# KiCad board LightRail_LPO_1.6T.kicad_pcb (continued)
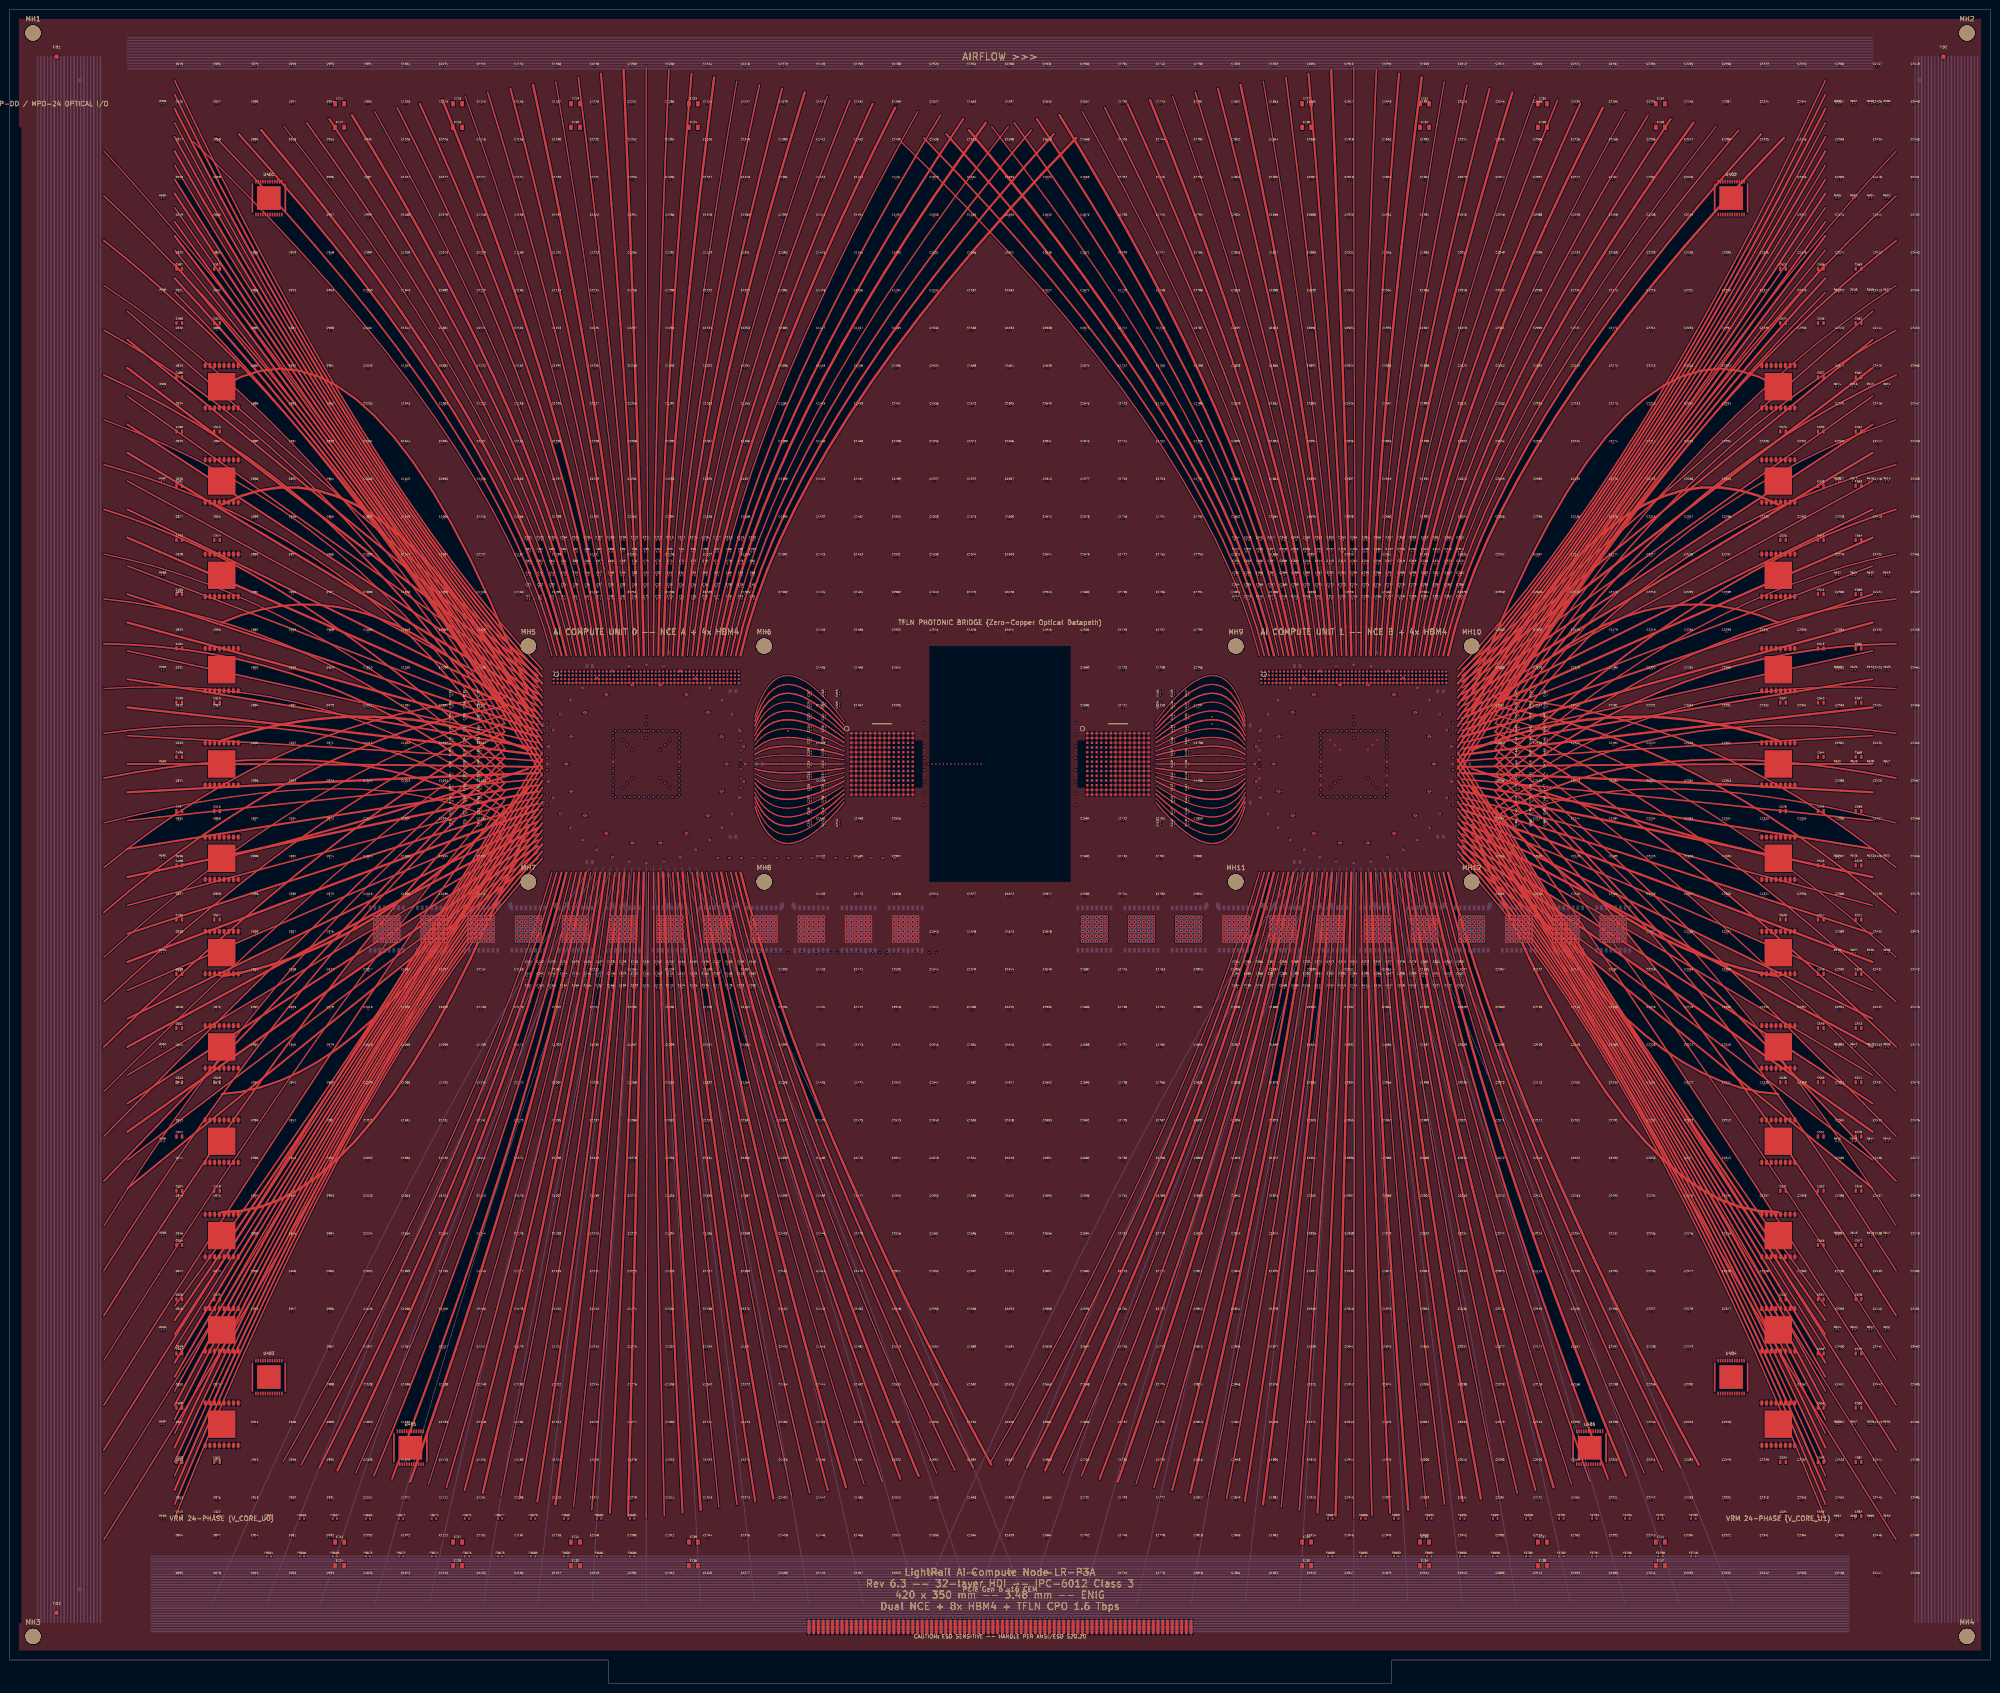
[diagram p0: board, top side]
## Placement (name value [footprint] x y rotation side) (continued)
C362  1.0x0.5  [C_passive#5]  305 242.5 0 top
C363  1.0x0.5  [C_passive#5]  307.5 242.5 0 top
C364  1.0x0.5  [C_passive#5]  260 152.5 0 top
C365  1.0x0.5  [C_passive#5]  262.5 152.5 0 top
C366  1.0x0.5  [C_passive#5]  265 152.5 0 top
C367  1.0x0.5  [C_passive#5]  267.5 152.5 0 top
C368  1.0x0.5  [C_passive#5]  270 152.5 0 top
C369  1.0x0.5  [C_passive#5]  272.5 152.5 0 top
C370  1.0x0.5  [C_passive#5]  275 152.5 0 top
C371  1.0x0.5  [C_passive#5]  277.5 152.5 0 top
C372  1.0x0.5  [C_passive#5]  280 152.5 0 top
C373  1.0x0.5  [C_passive#5]  282.5 152.5 0 top
C374  1.0x0.5  [C_passive#5]  285 152.5 0 top
C375  1.0x0.5  [C_passive#5]  287.5 152.5 0 top
C376  1.0x0.5  [C_passive#5]  290 152.5 0 top
C377  1.0x0.5  [C_passive#5]  292.5 152.5 0 top
C378  1.0x0.5  [C_passive#5]  295 152.5 0 top
C379  1.0x0.5  [C_passive#5]  297.5 152.5 0 top
C380  1.0x0.5  [C_passive#5]  300 152.5 0 top
C381  1.0x0.5  [C_passive#5]  302.5 152.5 0 top
C382  1.0x0.5  [C_passive#5]  305 152.5 0 top
C383  1.0x0.5  [C_passive#5]  307.5 152.5 0 top
C384  1.0x0.5  [C_passive#5]  260 150 0 top
C385  1.0x0.5  [C_passive#5]  262.5 150 0 top
C386  1.0x0.5  [C_passive#5]  265 150 0 top
C387  1.0x0.5  [C_passive#5]  267.5 150 0 top
C388  1.0x0.5  [C_passive#5]  270 150 0 top
C389  1.0x0.5  [C_passive#5]  272.5 150 0 top
C390  1.0x0.5  [C_passive#5]  275 150 0 top
C391  1.0x0.5  [C_passive#5]  277.5 150 0 top
C392  1.0x0.5  [C_passive#5]  280 150 0 top
C393  1.0x0.5  [C_passive#5]  282.5 150 0 top
C394  1.0x0.5  [C_passive#5]  285 150 0 top
C395  1.0x0.5  [C_passive#5]  287.5 150 0 top
C396  1.0x0.5  [C_passive#5]  290 150 0 top
C397  1.0x0.5  [C_passive#5]  292.5 150 0 top
C398  1.0x0.5  [C_passive#5]  295 150 0 top
C399  1.0x0.5  [C_passive#5]  297.5 150 0 top
C400  1.0x0.5  [C_passive#5]  300 150 0 top
C401  1.0x0.5  [C_passive#5]  302.5 150 0 top
C402  1.0x0.5  [C_passive#5]  305 150 0 top
C403  1.0x0.5  [C_passive#5]  307.5 150 0 top
C404  1.0x0.5  [C_passive#5]  260 147.5 0 top
C405  1.0x0.5  [C_passive#5]  262.5 147.5 0 top
C406  1.0x0.5  [C_passive#5]  265 147.5 0 top
C407  1.0x0.5  [C_passive#5]  267.5 147.5 0 top
C408  1.0x0.5  [C_passive#5]  270 147.5 0 top
C409  1.0x0.5  [C_passive#5]  272.5 147.5 0 top
C410  1.0x0.5  [C_passive#5]  275 147.5 0 top
C411  1.0x0.5  [C_passive#5]  277.5 147.5 0 top
C412  1.0x0.5  [C_passive#5]  280 147.5 0 top
C413  1.0x0.5  [C_passive#5]  282.5 147.5 0 top
C414  1.0x0.5  [C_passive#5]  285 147.5 0 top
C415  1.0x0.5  [C_passive#5]  287.5 147.5 0 top
C416  1.0x0.5  [C_passive#5]  290 147.5 0 top
C417  1.0x0.5  [C_passive#5]  292.5 147.5 0 top
C418  1.0x0.5  [C_passive#5]  295 147.5 0 top
C419  1.0x0.5  [C_passive#5]  297.5 147.5 0 top
C420  1.0x0.5  [C_passive#5]  300 147.5 0 top
C421  1.0x0.5  [C_passive#5]  302.5 147.5 0 top
C422  1.0x0.5  [C_passive#5]  305 147.5 0 top
C423  1.0x0.5  [C_passive#5]  307.5 147.5 0 top
C424  1.0x0.5  [C_passive]  250 210 90 top
C425  1.0x0.5  [C_passive]  247 210 90 top
C426  1.0x0.5  [C_passive]  244 210 90 top
C427  1.0x0.5  [C_passive]  250 207.5 90 top
C428  1.0x0.5  [C_passive]  247 207.5 90 top
C429  1.0x0.5  [C_passive]  244 207.5 90 top
C430  1.0x0.5  [C_passive]  250 205 90 top
C431  1.0x0.5  [C_passive]  247 205 90 top
C432  1.0x0.5  [C_passive]  250 202.5 90 top
C433  1.0x0.5  [C_passive]  247 202.5 90 top
C434  1.0x0.5  [C_passive]  250 200 90 top
C435  1.0x0.5  [C_passive]  247 200 90 top
C436  1.0x0.5  [C_passive]  250 197.5 90 top
C437  1.0x0.5  [C_passive]  247 197.5 90 top
C438  1.0x0.5  [C_passive]  250 195 90 top
C439  1.0x0.5  [C_passive]  247 195 90 top
C440  1.0x0.5  [C_passive]  250 192.5 90 top
C441  1.0x0.5  [C_passive]  247 192.5 90 top
C442  1.0x0.5  [C_passive]  250 190 90 top
C443  1.0x0.5  [C_passive]  247 190 90 top
C444  1.0x0.5  [C_passive]  250 187.5 90 top
C445  1.0x0.5  [C_passive]  247 187.5 90 top
C446  1.0x0.5  [C_passive]  250 185 90 top
C447  1.0x0.5  [C_passive]  247 185 90 top
C448  1.0x0.5  [C_passive]  250 182.5 90 top
C449  1.0x0.5  [C_passive]  247 182.5 90 top
C450  1.0x0.5  [C_passive]  244 182.5 90 top
C451  1.0x0.5  [C_passive]  320 210 90 top
C452  1.0x0.5  [C_passive]  323 210 90 top
C453  1.0x0.5  [C_passive]  326 210 90 top
C454  1.0x0.5  [C_passive]  320 207.5 90 top
C455  1.0x0.5  [C_passive]  323 207.5 90 top
C456  1.0x0.5  [C_passive]  326 207.5 90 top
C457  1.0x0.5  [C_passive]  320 205 90 top
C458  1.0x0.5  [C_passive]  323 205 90 top
C459  1.0x0.5  [C_passive]  326 205 90 top
C460  1.0x0.5  [C_passive]  320 202.5 90 top
C461  1.0x0.5  [C_passive]  323 202.5 90 top
C462  1.0x0.5  [C_passive]  326 202.5 90 top
C463  1.0x0.5  [C_passive]  320 200 90 top
C464  1.0x0.5  [C_passive]  323 200 90 top
C465  1.0x0.5  [C_passive]  326 200 90 top
C466  1.0x0.5  [C_passive]  320 197.5 90 top
C467  1.0x0.5  [C_passive]  323 197.5 90 top
C468  1.0x0.5  [C_passive]  326 197.5 90 top
C469  1.0x0.5  [C_passive]  320 195 90 top
C470  1.0x0.5  [C_passive]  323 195 90 top
C471  1.0x0.5  [C_passive]  326 195 90 top
C472  1.0x0.5  [C_passive]  320 192.5 90 top
C473  1.0x0.5  [C_passive]  323 192.5 90 top
C474  1.0x0.5  [C_passive]  326 192.5 90 top
C475  1.0x0.5  [C_passive]  320 190 90 top
C476  1.0x0.5  [C_passive]  323 190 90 top
C477  1.0x0.5  [C_passive]  326 190 90 top
C478  1.0x0.5  [C_passive]  320 187.5 90 top
C479  1.0x0.5  [C_passive]  323 187.5 90 top
C480  1.0x0.5  [C_passive]  326 187.5 90 top
C481  1.0x0.5  [C_passive]  320 185 90 top
C482  1.0x0.5  [C_passive]  323 185 90 top
C483  1.0x0.5  [C_passive]  326 185 90 top
C484  1.0x0.5  [C_passive]  320 182.5 90 top
C485  1.0x0.5  [C_passive]  323 182.5 90 top
C486  1.0x0.5  [C_passive]  326 182.5 90 top
C487  2.0x1.25  [C_passive#3]  36 300 0 top
C488  2.0x1.25  [C_passive#3]  36 288.5 0 top
C489  2.0x1.25  [C_passive#3]  36 277 0 top
C490  2.0x1.25  [C_passive#3]  36 265.5 0 top
C491  2.0x1.25  [C_passive#3]  36 254 0 top
C492  2.0x1.25  [C_passive#3]  36 242.5 0 top
C493  2.0x1.25  [C_passive#3]  36 231 0 top
C494  2.0x1.25  [C_passive#3]  36 219.5 0 top
C495  2.0x1.25  [C_passive#3]  36 208 0 top
C496  2.0x1.25  [C_passive#3]  36 196.5 0 top
C497  2.0x1.25  [C_passive#3]  36 185 0 top
C498  2.0x1.25  [C_passive#3]  36 173.5 0 top
C499  2.0x1.25  [C_passive#3]  36 162 0 top
C500  2.0x1.25  [C_passive#3]  36 150.5 0 top
C501  2.0x1.25  [C_passive#3]  36 139 0 top
C502  2.0x1.25  [C_passive#3]  36 127.5 0 top
C503  2.0x1.25  [C_passive#3]  36 116 0 top
C504  2.0x1.25  [C_passive#3]  36 104.5 0 top
C505  2.0x1.25  [C_passive#3]  36 93 0 top
C506  2.0x1.25  [C_passive#3]  36 81.5 0 top
C507  2.0x1.25  [C_passive#3]  36 70 0 top
C508  2.0x1.25  [C_passive#3]  36 58.5 0 top
C509  2.0x1.25  [C_passive#3]  36 47 0 top
C510  2.0x1.25  [C_passive#3]  36 35.5 0 top
C511  2.0x1.25  [C_passive#3]  44 300 0 top
C512  2.0x1.25  [C_passive#3]  44 288.5 0 top
C513  2.0x1.25  [C_passive#3]  44 265.5 0 top
C514  2.0x1.25  [C_passive#3]  44 242.5 0 top
C515  2.0x1.25  [C_passive#3]  44 208 0 top
C516  2.0x1.25  [C_passive#3]  44 185 0 top
C517  2.0x1.25  [C_passive#3]  44 162 0 top
C518  2.0x1.25  [C_passive#3]  44 127.5 0 top
C519  2.0x1.25  [C_passive#3]  44 104.5 0 top
C520  2.0x1.25  [C_passive#3]  44 81.5 0 top
C521  2.0x1.25  [C_passive#3]  44 47 0 top
C522  2.0x1.25  [C_passive#3]  44 35.5 0 top
C523  2.0x1.25  [C_passive#3]  376 300 0 top
C524  2.0x1.25  [C_passive#3]  376 288.5 0 top
C525  2.0x1.25  [C_passive#3]  376 265.5 0 top
C526  2.0x1.25  [C_passive#3]  376 242.5 0 top
C527  2.0x1.25  [C_passive#3]  376 208 0 top
C528  2.0x1.25  [C_passive#3]  376 185 0 top
C529  2.0x1.25  [C_passive#3]  376 162 0 top
C530  2.0x1.25  [C_passive#3]  376 127.5 0 top
C531  2.0x1.25  [C_passive#3]  376 104.5 0 top
C532  2.0x1.25  [C_passive#3]  376 81.5 0 top
C533  2.0x1.25  [C_passive#3]  376 47 0 top
C534  2.0x1.25  [C_passive#3]  376 35.5 0 top
C535  2.0x1.25  [C_passive#3]  384 300 0 top
C536  2.0x1.25  [C_passive#3]  384 288.5 0 top
C537  2.0x1.25  [C_passive#3]  384 277 0 top
C538  2.0x1.25  [C_passive#3]  384 265.5 0 top
C539  2.0x1.25  [C_passive#3]  384 254 0 top
C540  2.0x1.25  [C_passive#3]  384 242.5 0 top
C541  2.0x1.25  [C_passive#3]  384 231 0 top
C542  2.0x1.25  [C_passive#3]  384 219.5 0 top
C543  2.0x1.25  [C_passive#3]  384 208 0 top
C544  2.0x1.25  [C_passive#3]  384 196.5 0 top
C545  2.0x1.25  [C_passive#3]  384 185 0 top
C546  2.0x1.25  [C_passive#3]  384 173.5 0 top
C547  2.0x1.25  [C_passive#3]  384 162 0 top
C548  2.0x1.25  [C_passive#3]  384 150.5 0 top
C549  2.0x1.25  [C_passive#3]  384 139 0 top
C550  2.0x1.25  [C_passive#3]  384 127.5 0 top
C551  2.0x1.25  [C_passive#3]  384 116 0 top
C552  2.0x1.25  [C_passive#3]  384 104.5 0 top
C553  2.0x1.25  [C_passive#3]  384 93 0 top
C554  2.0x1.25  [C_passive#3]  384 81.5 0 top
C555  2.0x1.25  [C_passive#3]  384 70 0 top
C556  2.0x1.25  [C_passive#3]  384 58.5 0 top
C557  2.0x1.25  [C_passive#3]  384 47 0 top
C558  2.0x1.25  [C_passive#3]  384 35.5 0 top
C559  2.0x1.25  [C_passive#3]  392 300 0 top
C560  2.0x1.25  [C_passive#3]  392 288.5 0 top
C561  2.0x1.25  [C_passive#3]  392 277 0 top
C562  2.0x1.25  [C_passive#3]  392 265.5 0 top
C563  2.0x1.25  [C_passive#3]  392 254 0 top
C564  2.0x1.25  [C_passive#3]  392 242.5 0 top
C565  2.0x1.25  [C_passive#3]  392 231 0 top
C566  2.0x1.25  [C_passive#3]  392 219.5 0 top
C567  2.0x1.25  [C_passive#3]  392 208 0 top
C568  2.0x1.25  [C_passive#3]  392 196.5 0 top
C569  2.0x1.25  [C_passive#3]  392 185 0 top
C570  2.0x1.25  [C_passive#3]  392 173.5 0 top
C571  2.0x1.25  [C_passive#3]  392 162 0 top
C572  2.0x1.25  [C_passive#3]  392 150.5 0 top
C573  2.0x1.25  [C_passive#3]  392 139 0 top
C574  2.0x1.25  [C_passive#3]  392 127.5 0 top
C575  2.0x1.25  [C_passive#3]  392 116 0 top
C576  2.0x1.25  [C_passive#3]  392 104.5 0 top
C577  2.0x1.25  [C_passive#3]  392 93 0 top
C578  2.0x1.25  [C_passive#3]  392 81.5 0 top
C579  2.0x1.25  [C_passive#3]  392 70 0 top
C580  2.0x1.25  [C_passive#3]  392 58.5 0 top
C581  2.0x1.25  [C_passive#3]  392 47 0 top
C582  2.0x1.25  [C_passive#3]  392 35.5 0 top
C711  3.2x1.6  [C_passive#4]  70 335 0 top
C712  3.2x1.6  [C_passive#4]  70 330 0 top
C713  3.2x1.6  [C_passive#4]  70 30 0 top
C714  3.2x1.6  [C_passive#4]  70 25 0 top
C715  3.2x1.6  [C_passive#4]  95 335 0 top
C716  3.2x1.6  [C_passive#4]  95 330 0 top
C717  3.2x1.6  [C_passive#4]  95 30 0 top
C718  3.2x1.6  [C_passive#4]  95 25 0 top
C719  3.2x1.6  [C_passive#4]  120 335 0 top
C720  3.2x1.6  [C_passive#4]  120 330 0 top
C721  3.2x1.6  [C_passive#4]  120 30 0 top
C722  3.2x1.6  [C_passive#4]  120 25 0 top
C723  3.2x1.6  [C_passive#4]  145 335 0 top
C724  3.2x1.6  [C_passive#4]  145 330 0 top
C725  3.2x1.6  [C_passive#4]  145 30 0 top
C726  3.2x1.6  [C_passive#4]  145 25 0 top
C727  3.2x1.6  [C_passive#4]  275 335 0 top
C728  3.2x1.6  [C_passive#4]  275 330 0 top
C729  3.2x1.6  [C_passive#4]  275 30 0 top
C730  3.2x1.6  [C_passive#4]  275 25 0 top
C731  3.2x1.6  [C_passive#4]  300 335 0 top
C732  3.2x1.6  [C_passive#4]  300 330 0 top
C733  3.2x1.6  [C_passive#4]  300 30 0 top
C734  3.2x1.6  [C_passive#4]  300 25 0 top
C735  3.2x1.6  [C_passive#4]  325 335 0 top
C736  3.2x1.6  [C_passive#4]  325 330 0 top
C737  3.2x1.6  [C_passive#4]  325 30 0 top
C738  3.2x1.6  [C_passive#4]  325 25 0 top
C739  3.2x1.6  [C_passive#4]  350 335 0 top
C740  3.2x1.6  [C_passive#4]  350 330 0 top
C741  3.2x1.6  [C_passive#4]  350 30 0 top
C742  3.2x1.6  [C_passive#4]  350 25 0 top
C743  1.0x0.5  [C_passive#5]  120 154 0 bottom
C744  1.0x0.5  [C_passive#5]  122.5 154 0 bottom
C745  1.0x0.5  [C_passive#5]  125 154 0 bottom
C746  1.0x0.5  [C_passive#5]  127.5 154 0 bottom
C747  1.0x0.5  [C_passive#5]  130 154 0 bottom
C748  1.0x0.5  [C_passive#5]  132.5 154 0 bottom
C749  1.0x0.5  [C_passive#5]  135 154 0 bottom
C750  1.0x0.5  [C_passive#5]  137.5 154 0 bottom
C751  1.0x0.5  [C_passive#5]  140 154 0 bottom
C752  1.0x0.5  [C_passive#5]  142.5 154 0 bottom
C753  1.0x0.5  [C_passive#5]  145 154 0 bottom
C754  1.0x0.5  [C_passive#5]  147.5 154 0 bottom
C755  1.0x0.5  [C_passive#5]  120 151 0 bottom
C756  1.0x0.5  [C_passive#5]  122.5 151 0 bottom
C757  1.0x0.5  [C_passive#5]  125 151 0 bottom
C758  1.0x0.5  [C_passive#5]  127.5 151 0 bottom
C759  1.0x0.5  [C_passive#5]  130 151 0 bottom
C760  1.0x0.5  [C_passive#5]  132.5 151 0 bottom
C761  1.0x0.5  [C_passive#5]  135 151 0 bottom
C762  1.0x0.5  [C_passive#5]  137.5 151 0 bottom
C763  1.0x0.5  [C_passive#5]  140 151 0 bottom
C764  1.0x0.5  [C_passive#5]  142.5 151 0 bottom
C765  1.0x0.5  [C_passive#5]  145 151 0 bottom
C766  1.0x0.5  [C_passive#5]  147.5 151 0 bottom
C767  1.0x0.5  [C_passive#5]  120 148 0 bottom
C768  1.0x0.5  [C_passive#5]  122.5 148 0 bottom
C769  1.0x0.5  [C_passive#5]  125 148 0 bottom
C770  1.0x0.5  [C_passive#5]  127.5 148 0 bottom
C771  1.0x0.5  [C_passive#5]  130 148 0 bottom
C772  1.0x0.5  [C_passive#5]  132.5 148 0 bottom
C773  1.0x0.5  [C_passive#5]  135 148 0 bottom
C774  1.0x0.5  [C_passive#5]  137.5 148 0 bottom
C775  1.0x0.5  [C_passive#5]  140 148 0 bottom
C776  1.0x0.5  [C_passive#5]  142.5 148 0 bottom
C777  1.0x0.5  [C_passive#5]  145 148 0 bottom
C778  1.0x0.5  [C_passive#5]  147.5 148 0 bottom
C779  1.0x0.5  [C_passive#5]  270 154 0 bottom
C780  1.0x0.5  [C_passive#5]  272.5 154 0 bottom
C781  1.0x0.5  [C_passive#5]  275 154 0 bottom
C782  1.0x0.5  [C_passive#5]  277.5 154 0 bottom
C783  1.0x0.5  [C_passive#5]  280 154 0 bottom
C784  1.0x0.5  [C_passive#5]  282.5 154 0 bottom
C785  1.0x0.5  [C_passive#5]  285 154 0 bottom
C786  1.0x0.5  [C_passive#5]  287.5 154 0 bottom
C787  1.0x0.5  [C_passive#5]  290 154 0 bottom
C788  1.0x0.5  [C_passive#5]  292.5 154 0 bottom
C789  1.0x0.5  [C_passive#5]  295 154 0 bottom
C790  1.0x0.5  [C_passive#5]  297.5 154 0 bottom
C791  1.0x0.5  [C_passive#5]  270 151 0 bottom
C792  1.0x0.5  [C_passive#5]  272.5 151 0 bottom
C793  1.0x0.5  [C_passive#5]  275 151 0 bottom
C794  1.0x0.5  [C_passive#5]  277.5 151 0 bottom
C795  1.0x0.5  [C_passive#5]  280 151 0 bottom
C796  1.0x0.5  [C_passive#5]  282.5 151 0 bottom
C797  1.0x0.5  [C_passive#5]  285 151 0 bottom
C798  1.0x0.5  [C_passive#5]  287.5 151 0 bottom
C799  1.0x0.5  [C_passive#5]  290 151 0 bottom
C800  1.0x0.5  [C_passive#5]  292.5 151 0 bottom
C801  1.0x0.5  [C_passive#5]  295 151 0 bottom
C802  1.0x0.5  [C_passive#5]  297.5 151 0 bottom
C803  1.0x0.5  [C_passive#5]  270 148 0 bottom
C804  1.0x0.5  [C_passive#5]  272.5 148 0 bottom
C805  1.0x0.5  [C_passive#5]  275 148 0 bottom
C806  1.0x0.5  [C_passive#5]  277.5 148 0 bottom
C807  1.0x0.5  [C_passive#5]  280 148 0 bottom
C808  1.0x0.5  [C_passive#5]  282.5 148 0 bottom
C809  1.0x0.5  [C_passive#5]  285 148 0 bottom
C810  1.0x0.5  [C_passive#5]  287.5 148 0 bottom
C811  1.0x0.5  [C_passive#5]  290 148 0 bottom
C812  1.0x0.5  [C_passive#5]  292.5 148 0 bottom
C813  1.0x0.5  [C_passive#5]  295 148 0 bottom
C814  1.0x0.5  [C_passive#5]  297.5 148 0 bottom
C815  0.6x0.3  [C_passive#2]  36 343 0 top
C816  0.6x0.3  [C_passive#2]  36 335 0 top
C817  0.6x0.3  [C_passive#2]  36 327 0 top
C818  0.6x0.3  [C_passive#2]  36 319 0 top
C819  0.6x0.3  [C_passive#2]  36 311 0 top
C820  0.6x0.3  [C_passive#2]  36 303 0 top
C821  0.6x0.3  [C_passive#2]  36 295 0 top
C822  0.6x0.3  [C_passive#2]  36 287 0 top
C823  0.6x0.3  [C_passive#2]  36 279 0 top
C824  0.6x0.3  [C_passive#2]  36 271 0 top
C825  0.6x0.3  [C_passive#2]  36 263 0 top
C826  0.6x0.3  [C_passive#2]  36 255 0 top
C827  0.6x0.3  [C_passive#2]  36 247 0 top
C828  0.6x0.3  [C_passive#2]  36 239 0 top
C829  0.6x0.3  [C_passive#2]  36 231 0 top
C830  0.6x0.3  [C_passive#2]  36 223 0 top
C831  0.6x0.3  [C_passive#2]  36 215 0 top
C832  0.6x0.3  [C_passive#2]  36 207 0 top
C833  0.6x0.3  [C_passive#2]  36 199 0 top
C834  0.6x0.3  [C_passive#2]  36 191 0 top
C835  0.6x0.3  [C_passive#2]  36 183 0 top
C836  0.6x0.3  [C_passive#2]  36 175 0 top
C837  0.6x0.3  [C_passive#2]  36 167 0 top
C838  0.6x0.3  [C_passive#2]  36 159 0 top
C839  0.6x0.3  [C_passive#2]  36 151 0 top
C840  0.6x0.3  [C_passive#2]  36 143 0 top
C841  0.6x0.3  [C_passive#2]  36 135 0 top
C842  0.6x0.3  [C_passive#2]  36 127 0 top
C843  0.6x0.3  [C_passive#2]  36 119 0 top
C844  0.6x0.3  [C_passive#2]  36 111 0 top
C845  0.6x0.3  [C_passive#2]  36 103 0 top
C846  0.6x0.3  [C_passive#2]  36 95 0 top
C847  0.6x0.3  [C_passive#2]  36 87 0 top
C848  0.6x0.3  [C_passive#2]  36 79 0 top
C849  0.6x0.3  [C_passive#2]  36 71 0 top
C850  0.6x0.3  [C_passive#2]  36 63 0 top
C851  0.6x0.3  [C_passive#2]  36 55 0 top
C852  0.6x0.3  [C_passive#2]  36 47 0 top
C853  0.6x0.3  [C_passive#2]  36 39 0 top
C854  0.6x0.3  [C_passive#2]  36 31 0 top
C855  0.6x0.3  [C_passive#2]  36 23 0 top
C856  0.6x0.3  [C_passive#2]  44 343 0 top
C857  0.6x0.3  [C_passive#2]  44 335 0 top
C858  0.6x0.3  [C_passive#2]  44 327 0 top
C859  0.6x0.3  [C_passive#2]  44 319 0 top
C860  0.6x0.3  [C_passive#2]  44 311 0 top
C861  0.6x0.3  [C_passive#2]  44 303 0 top
C862  0.6x0.3  [C_passive#2]  44 295 0 top
C863  0.6x0.3  [C_passive#2]  44 287 0 top
C864  0.6x0.3  [C_passive#2]  44 263 0 top
C865  0.6x0.3  [C_passive#2]  44 247 0 top
C866  0.6x0.3  [C_passive#2]  44 223 0 top
C867  0.6x0.3  [C_passive#2]  44 207 0 top
C868  0.6x0.3  [C_passive#2]  44 183 0 top
C869  0.6x0.3  [C_passive#2]  44 167 0 top
C870  0.6x0.3  [C_passive#2]  44 143 0 top
C871  0.6x0.3  [C_passive#2]  44 127 0 top
C872  0.6x0.3  [C_passive#2]  44 103 0 top
C873  0.6x0.3  [C_passive#2]  44 87 0 top
C874  0.6x0.3  [C_passive#2]  44 63 0 top
C875  0.6x0.3  [C_passive#2]  44 47 0 top
C876  0.6x0.3  [C_passive#2]  44 39 0 top
C877  0.6x0.3  [C_passive#2]  44 31 0 top
C878  0.6x0.3  [C_passive#2]  44 23 0 top
C879  0.6x0.3  [C_passive#2]  52 343 0 top
C880  0.6x0.3  [C_passive#2]  52 335 0 top
C881  0.6x0.3  [C_passive#2]  52 327 0 top
C882  0.6x0.3  [C_passive#2]  52 303 0 top
C883  0.6x0.3  [C_passive#2]  52 295 0 top
C884  0.6x0.3  [C_passive#2]  52 287 0 top
C885  0.6x0.3  [C_passive#2]  52 279 0 top
C886  0.6x0.3  [C_passive#2]  52 271 0 top
C887  0.6x0.3  [C_passive#2]  52 263 0 top
C888  0.6x0.3  [C_passive#2]  52 255 0 top
C889  0.6x0.3  [C_passive#2]  52 247 0 top
C890  0.6x0.3  [C_passive#2]  52 239 0 top
C891  0.6x0.3  [C_passive#2]  52 231 0 top
C892  0.6x0.3  [C_passive#2]  52 223 0 top
C893  0.6x0.3  [C_passive#2]  52 215 0 top
C894  0.6x0.3  [C_passive#2]  52 207 0 top
C895  0.6x0.3  [C_passive#2]  52 199 0 top
C896  0.6x0.3  [C_passive#2]  52 191 0 top
C897  0.6x0.3  [C_passive#2]  52 183 0 top
C898  0.6x0.3  [C_passive#2]  52 175 0 top
C899  0.6x0.3  [C_passive#2]  52 167 0 top
C900  0.6x0.3  [C_passive#2]  52 159 0 top
C901  0.6x0.3  [C_passive#2]  52 151 0 top
C902  0.6x0.3  [C_passive#2]  52 143 0 top
C903  0.6x0.3  [C_passive#2]  52 135 0 top
C904  0.6x0.3  [C_passive#2]  52 127 0 top
C905  0.6x0.3  [C_passive#2]  52 119 0 top
C906  0.6x0.3  [C_passive#2]  52 111 0 top
C907  0.6x0.3  [C_passive#2]  52 103 0 top
C908  0.6x0.3  [C_passive#2]  52 95 0 top
C909  0.6x0.3  [C_passive#2]  52 87 0 top
C910  0.6x0.3  [C_passive#2]  52 79 0 top
C911  0.6x0.3  [C_passive#2]  52 55 0 top
C912  0.6x0.3  [C_passive#2]  52 47 0 top
C913  0.6x0.3  [C_passive#2]  52 39 0 top
C914  0.6x0.3  [C_passive#2]  52 31 0 top
C915  0.6x0.3  [C_passive#2]  52 23 0 top
C916  0.6x0.3  [C_passive#2]  60 343 0 top
C917  0.6x0.3  [C_passive#2]  60 335 0 top
C918  0.6x0.3  [C_passive#2]  60 327 0 top
C919  0.6x0.3  [C_passive#2]  60 303 0 top
C920  0.6x0.3  [C_passive#2]  60 295 0 top
C921  0.6x0.3  [C_passive#2]  60 287 0 top
C922  0.6x0.3  [C_passive#2]  60 279 0 top
C923  0.6x0.3  [C_passive#2]  60 271 0 top
C924  0.6x0.3  [C_passive#2]  60 263 0 top
C925  0.6x0.3  [C_passive#2]  60 255 0 top
C926  0.6x0.3  [C_passive#2]  60 247 0 top
C927  0.6x0.3  [C_passive#2]  60 239 0 top
C928  0.6x0.3  [C_passive#2]  60 231 0 top
C929  0.6x0.3  [C_passive#2]  60 223 0 top
C930  0.6x0.3  [C_passive#2]  60 215 0 top
C931  0.6x0.3  [C_passive#2]  60 207 0 top
C932  0.6x0.3  [C_passive#2]  60 199 0 top
C933  0.6x0.3  [C_passive#2]  60 191 0 top
C934  0.6x0.3  [C_passive#2]  60 183 0 top
C935  0.6x0.3  [C_passive#2]  60 175 0 top
C936  0.6x0.3  [C_passive#2]  60 167 0 top
C937  0.6x0.3  [C_passive#2]  60 159 0 top
C938  0.6x0.3  [C_passive#2]  60 151 0 top
C939  0.6x0.3  [C_passive#2]  60 143 0 top
C940  0.6x0.3  [C_passive#2]  60 135 0 top
C941  0.6x0.3  [C_passive#2]  60 127 0 top
C942  0.6x0.3  [C_passive#2]  60 119 0 top
C943  0.6x0.3  [C_passive#2]  60 111 0 top
C944  0.6x0.3  [C_passive#2]  60 103 0 top
C945  0.6x0.3  [C_passive#2]  60 95 0 top
C946  0.6x0.3  [C_passive#2]  60 87 0 top
C947  0.6x0.3  [C_passive#2]  60 79 0 top
C948  0.6x0.3  [C_passive#2]  60 55 0 top
C949  0.6x0.3  [C_passive#2]  60 47 0 top
C950  0.6x0.3  [C_passive#2]  60 39 0 top
C951  0.6x0.3  [C_passive#2]  60 31 0 top
C952  0.6x0.3  [C_passive#2]  60 23 0 top
C953  0.6x0.3  [C_passive#2]  68 343 0 top
C954  0.6x0.3  [C_passive#2]  68 335 0 top
C955  0.6x0.3  [C_passive#2]  68 327 0 top
C956  0.6x0.3  [C_passive#2]  68 319 0 top
C957  0.6x0.3  [C_passive#2]  68 311 0 top
C958  0.6x0.3  [C_passive#2]  68 303 0 top
C959  0.6x0.3  [C_passive#2]  68 295 0 top
C960  0.6x0.3  [C_passive#2]  68 287 0 top
C961  0.6x0.3  [C_passive#2]  68 279 0 top
C962  0.6x0.3  [C_passive#2]  68 271 0 top
C963  0.6x0.3  [C_passive#2]  68 263 0 top
C964  0.6x0.3  [C_passive#2]  68 255 0 top
C965  0.6x0.3  [C_passive#2]  68 247 0 top
C966  0.6x0.3  [C_passive#2]  68 239 0 top
C967  0.6x0.3  [C_passive#2]  68 231 0 top
C968  0.6x0.3  [C_passive#2]  68 223 0 top
C969  0.6x0.3  [C_passive#2]  68 215 0 top
C970  0.6x0.3  [C_passive#2]  68 207 0 top
C971  0.6x0.3  [C_passive#2]  68 199 0 top
C972  0.6x0.3  [C_passive#2]  68 191 0 top
C973  0.6x0.3  [C_passive#2]  68 183 0 top
C974  0.6x0.3  [C_passive#2]  68 175 0 top
C975  0.6x0.3  [C_passive#2]  68 167 0 top
C976  0.6x0.3  [C_passive#2]  68 159 0 top
C977  0.6x0.3  [C_passive#2]  68 151 0 top
C978  0.6x0.3  [C_passive#2]  68 143 0 top
C979  0.6x0.3  [C_passive#2]  68 135 0 top
C980  0.6x0.3  [C_passive#2]  68 127 0 top
C981  0.6x0.3  [C_passive#2]  68 119 0 top
C982  0.6x0.3  [C_passive#2]  68 111 0 top
C983  0.6x0.3  [C_passive#2]  68 103 0 top
C984  0.6x0.3  [C_passive#2]  68 95 0 top
C985  0.6x0.3  [C_passive#2]  68 87 0 top
C986  0.6x0.3  [C_passive#2]  68 79 0 top
C987  0.6x0.3  [C_passive#2]  68 71 0 top
C988  0.6x0.3  [C_passive#2]  68 63 0 top
C989  0.6x0.3  [C_passive#2]  68 55 0 top
C990  0.6x0.3  [C_passive#2]  68 47 0 top
C991  0.6x0.3  [C_passive#2]  68 39 0 top
C992  0.6x0.3  [C_passive#2]  68 31 0 top
C993  0.6x0.3  [C_passive#2]  68 23 0 top
C994  0.6x0.3  [C_passive#2]  76 343 0 top
C995  0.6x0.3  [C_passive#2]  76 335 0 top
C996  0.6x0.3  [C_passive#2]  76 327 0 top
C997  0.6x0.3  [C_passive#2]  76 319 0 top
C998  0.6x0.3  [C_passive#2]  76 311 0 top
C999  0.6x0.3  [C_passive#2]  76 303 0 top
C1000  0.6x0.3  [C_passive#2]  76 295 0 top
C1001  0.6x0.3  [C_passive#2]  76 287 0 top
C1002  0.6x0.3  [C_passive#2]  76 279 0 top
C1003  0.6x0.3  [C_passive#2]  76 271 0 top
C1004  0.6x0.3  [C_passive#2]  76 263 0 top
C1005  0.6x0.3  [C_passive#2]  76 255 0 top
C1006  0.6x0.3  [C_passive#2]  76 247 0 top
C1007  0.6x0.3  [C_passive#2]  76 239 0 top
C1008  0.6x0.3  [C_passive#2]  76 231 0 top
C1009  0.6x0.3  [C_passive#2]  76 223 0 top
C1010  0.6x0.3  [C_passive#2]  76 215 0 top
C1011  0.6x0.3  [C_passive#2]  76 207 0 top
C1012  0.6x0.3  [C_passive#2]  76 199 0 top
C1013  0.6x0.3  [C_passive#2]  76 191 0 top
C1014  0.6x0.3  [C_passive#2]  76 183 0 top
C1015  0.6x0.3  [C_passive#2]  76 175 0 top
C1016  0.6x0.3  [C_passive#2]  76 167 0 top
C1017  0.6x0.3  [C_passive#2]  76 151 0 top
C1018  0.6x0.3  [C_passive#2]  76 143 0 top
C1019  0.6x0.3  [C_passive#2]  76 135 0 top
C1020  0.6x0.3  [C_passive#2]  76 127 0 top
C1021  0.6x0.3  [C_passive#2]  76 119 0 top
C1022  0.6x0.3  [C_passive#2]  76 111 0 top
C1023  0.6x0.3  [C_passive#2]  76 103 0 top
C1024  0.6x0.3  [C_passive#2]  76 95 0 top
C1025  0.6x0.3  [C_passive#2]  76 87 0 top
C1026  0.6x0.3  [C_passive#2]  76 79 0 top
C1027  0.6x0.3  [C_passive#2]  76 71 0 top
C1028  0.6x0.3  [C_passive#2]  76 63 0 top
C1029  0.6x0.3  [C_passive#2]  76 55 0 top
C1030  0.6x0.3  [C_passive#2]  76 47 0 top
C1031  0.6x0.3  [C_passive#2]  76 39 0 top
C1032  0.6x0.3  [C_passive#2]  76 31 0 top
C1033  0.6x0.3  [C_passive#2]  76 23 0 top
C1034  0.6x0.3  [C_passive#2]  84 343 0 top
C1035  0.6x0.3  [C_passive#2]  84 335 0 top
C1036  0.6x0.3  [C_passive#2]  84 327 0 top
C1037  0.6x0.3  [C_passive#2]  84 319 0 top
C1038  0.6x0.3  [C_passive#2]  84 311 0 top
C1039  0.6x0.3  [C_passive#2]  84 303 0 top
C1040  0.6x0.3  [C_passive#2]  84 295 0 top
C1041  0.6x0.3  [C_passive#2]  84 287 0 top
C1042  0.6x0.3  [C_passive#2]  84 279 0 top
C1043  0.6x0.3  [C_passive#2]  84 271 0 top
C1044  0.6x0.3  [C_passive#2]  84 263 0 top
C1045  0.6x0.3  [C_passive#2]  84 255 0 top
C1046  0.6x0.3  [C_passive#2]  84 247 0 top
C1047  0.6x0.3  [C_passive#2]  84 239 0 top
C1048  0.6x0.3  [C_passive#2]  84 231 0 top
C1049  0.6x0.3  [C_passive#2]  84 223 0 top
C1050  0.6x0.3  [C_passive#2]  84 215 0 top
C1051  0.6x0.3  [C_passive#2]  84 207 0 top
C1052  0.6x0.3  [C_passive#2]  84 199 0 top
C1053  0.6x0.3  [C_passive#2]  84 191 0 top
C1054  0.6x0.3  [C_passive#2]  84 183 0 top
C1055  0.6x0.3  [C_passive#2]  84 175 0 top
C1056  0.6x0.3  [C_passive#2]  84 167 0 top
C1057  0.6x0.3  [C_passive#2]  84 151 0 top
C1058  0.6x0.3  [C_passive#2]  84 143 0 top
C1059  0.6x0.3  [C_passive#2]  84 135 0 top
C1060  0.6x0.3  [C_passive#2]  84 127 0 top
C1061  0.6x0.3  [C_passive#2]  84 119 0 top
C1062  0.6x0.3  [C_passive#2]  84 111 0 top
C1063  0.6x0.3  [C_passive#2]  84 103 0 top
C1064  0.6x0.3  [C_passive#2]  84 95 0 top
C1065  0.6x0.3  [C_passive#2]  84 87 0 top
C1066  0.6x0.3  [C_passive#2]  84 79 0 top
C1067  0.6x0.3  [C_passive#2]  84 71 0 top
C1068  0.6x0.3  [C_passive#2]  84 63 0 top
C1069  0.6x0.3  [C_passive#2]  84 55 0 top
C1070  0.6x0.3  [C_passive#2]  84 47 0 top
C1071  0.6x0.3  [C_passive#2]  84 39 0 top
C1072  0.6x0.3  [C_passive#2]  84 31 0 top
C1073  0.6x0.3  [C_passive#2]  84 23 0 top
C1074  0.6x0.3  [C_passive#2]  92 343 0 top
C1075  0.6x0.3  [C_passive#2]  92 335 0 top
C1076  0.6x0.3  [C_passive#2]  92 327 0 top
C1077  0.6x0.3  [C_passive#2]  92 319 0 top
C1078  0.6x0.3  [C_passive#2]  92 311 0 top
C1079  0.6x0.3  [C_passive#2]  92 303 0 top
C1080  0.6x0.3  [C_passive#2]  92 295 0 top
C1081  0.6x0.3  [C_passive#2]  92 287 0 top
C1082  0.6x0.3  [C_passive#2]  92 279 0 top
C1083  0.6x0.3  [C_passive#2]  92 271 0 top
C1084  0.6x0.3  [C_passive#2]  92 263 0 top
C1085  0.6x0.3  [C_passive#2]  92 255 0 top
C1086  0.6x0.3  [C_passive#2]  92 247 0 top
C1087  0.6x0.3  [C_passive#2]  92 239 0 top
C1088  0.6x0.3  [C_passive#2]  92 231 0 top
C1089  0.6x0.3  [C_passive#2]  92 223 0 top
C1090  0.6x0.3  [C_passive#2]  92 215 0 top
C1091  0.6x0.3  [C_passive#2]  92 207 0 top
C1092  0.6x0.3  [C_passive#2]  92 199 0 top
C1093  0.6x0.3  [C_passive#2]  92 191 0 top
C1094  0.6x0.3  [C_passive#2]  92 183 0 top
C1095  0.6x0.3  [C_passive#2]  92 175 0 top
C1096  0.6x0.3  [C_passive#2]  92 167 0 top
C1097  0.6x0.3  [C_passive#2]  92 151 0 top
C1098  0.6x0.3  [C_passive#2]  92 143 0 top
C1099  0.6x0.3  [C_passive#2]  92 135 0 top
C1100  0.6x0.3  [C_passive#2]  92 127 0 top
C1101  0.6x0.3  [C_passive#2]  92 119 0 top
C1102  0.6x0.3  [C_passive#2]  92 111 0 top
C1103  0.6x0.3  [C_passive#2]  92 103 0 top
C1104  0.6x0.3  [C_passive#2]  92 95 0 top
C1105  0.6x0.3  [C_passive#2]  92 87 0 top
C1106  0.6x0.3  [C_passive#2]  92 79 0 top
C1107  0.6x0.3  [C_passive#2]  92 71 0 top
C1108  0.6x0.3  [C_passive#2]  92 63 0 top
C1109  0.6x0.3  [C_passive#2]  92 55 0 top
C1110  0.6x0.3  [C_passive#2]  92 47 0 top
C1111  0.6x0.3  [C_passive#2]  92 39 0 top
C1112  0.6x0.3  [C_passive#2]  92 31 0 top
C1113  0.6x0.3  [C_passive#2]  92 23 0 top
C1114  0.6x0.3  [C_passive#2]  100 343 0 top
C1115  0.6x0.3  [C_passive#2]  100 335 0 top
C1116  0.6x0.3  [C_passive#2]  100 327 0 top
C1117  0.6x0.3  [C_passive#2]  100 319 0 top
C1118  0.6x0.3  [C_passive#2]  100 311 0 top
C1119  0.6x0.3  [C_passive#2]  100 303 0 top
C1120  0.6x0.3  [C_passive#2]  100 295 0 top
C1121  0.6x0.3  [C_passive#2]  100 287 0 top
C1122  0.6x0.3  [C_passive#2]  100 279 0 top
C1123  0.6x0.3  [C_passive#2]  100 271 0 top
C1124  0.6x0.3  [C_passive#2]  100 263 0 top
C1125  0.6x0.3  [C_passive#2]  100 255 0 top
C1126  0.6x0.3  [C_passive#2]  100 247 0 top
C1127  0.6x0.3  [C_passive#2]  100 239 0 top
C1128  0.6x0.3  [C_passive#2]  100 231 0 top
C1129  0.6x0.3  [C_passive#2]  100 223 0 top
C1130  0.6x0.3  [C_passive#2]  100 215 0 top
C1131  0.6x0.3  [C_passive#2]  100 207 0 top
C1132  0.6x0.3  [C_passive#2]  100 199 0 top
C1133  0.6x0.3  [C_passive#2]  100 191 0 top
C1134  0.6x0.3  [C_passive#2]  100 183 0 top
C1135  0.6x0.3  [C_passive#2]  100 175 0 top
C1136  0.6x0.3  [C_passive#2]  100 167 0 top
C1137  0.6x0.3  [C_passive#2]  100 151 0 top
C1138  0.6x0.3  [C_passive#2]  100 143 0 top
C1139  0.6x0.3  [C_passive#2]  100 135 0 top
C1140  0.6x0.3  [C_passive#2]  100 127 0 top
C1141  0.6x0.3  [C_passive#2]  100 119 0 top
C1142  0.6x0.3  [C_passive#2]  100 111 0 top
C1143  0.6x0.3  [C_passive#2]  100 103 0 top
C1144  0.6x0.3  [C_passive#2]  100 95 0 top
C1145  0.6x0.3  [C_passive#2]  100 87 0 top
C1146  0.6x0.3  [C_passive#2]  100 79 0 top
C1147  0.6x0.3  [C_passive#2]  100 71 0 top
C1148  0.6x0.3  [C_passive#2]  100 63 0 top
C1149  0.6x0.3  [C_passive#2]  100 55 0 top
C1150  0.6x0.3  [C_passive#2]  100 47 0 top
C1151  0.6x0.3  [C_passive#2]  100 39 0 top
C1152  0.6x0.3  [C_passive#2]  100 31 0 top
C1153  0.6x0.3  [C_passive#2]  100 23 0 top
C1154  0.6x0.3  [C_passive#2]  108 343 0 top
C1155  0.6x0.3  [C_passive#2]  108 335 0 top
C1156  0.6x0.3  [C_passive#2]  108 327 0 top
C1157  0.6x0.3  [C_passive#2]  108 319 0 top
C1158  0.6x0.3  [C_passive#2]  108 311 0 top
C1159  0.6x0.3  [C_passive#2]  108 303 0 top
C1160  0.6x0.3  [C_passive#2]  108 295 0 top
C1161  0.6x0.3  [C_passive#2]  108 287 0 top
C1162  0.6x0.3  [C_passive#2]  108 279 0 top
C1163  0.6x0.3  [C_passive#2]  108 271 0 top
C1164  0.6x0.3  [C_passive#2]  108 263 0 top
C1165  0.6x0.3  [C_passive#2]  108 255 0 top
C1166  0.6x0.3  [C_passive#2]  108 247 0 top
C1167  0.6x0.3  [C_passive#2]  108 239 0 top
C1168  0.6x0.3  [C_passive#2]  108 231 0 top
C1169  0.6x0.3  [C_passive#2]  108 151 0 top
C1170  0.6x0.3  [C_passive#2]  108 143 0 top
C1171  0.6x0.3  [C_passive#2]  108 135 0 top
C1172  0.6x0.3  [C_passive#2]  108 127 0 top
C1173  0.6x0.3  [C_passive#2]  108 119 0 top
C1174  0.6x0.3  [C_passive#2]  108 111 0 top
C1175  0.6x0.3  [C_passive#2]  108 103 0 top
C1176  0.6x0.3  [C_passive#2]  108 95 0 top
C1177  0.6x0.3  [C_passive#2]  108 87 0 top
C1178  0.6x0.3  [C_passive#2]  108 79 0 top
C1179  0.6x0.3  [C_passive#2]  108 71 0 top
C1180  0.6x0.3  [C_passive#2]  108 63 0 top
C1181  0.6x0.3  [C_passive#2]  108 55 0 top
C1182  0.6x0.3  [C_passive#2]  108 47 0 top
C1183  0.6x0.3  [C_passive#2]  108 39 0 top
C1184  0.6x0.3  [C_passive#2]  108 31 0 top
C1185  0.6x0.3  [C_passive#2]  108 23 0 top
C1186  0.6x0.3  [C_passive#2]  116 343 0 top
C1187  0.6x0.3  [C_passive#2]  116 335 0 top
C1188  0.6x0.3  [C_passive#2]  116 327 0 top
C1189  0.6x0.3  [C_passive#2]  116 319 0 top
C1190  0.6x0.3  [C_passive#2]  116 311 0 top
C1191  0.6x0.3  [C_passive#2]  116 303 0 top
C1192  0.6x0.3  [C_passive#2]  116 295 0 top
C1193  0.6x0.3  [C_passive#2]  116 287 0 top
C1194  0.6x0.3  [C_passive#2]  116 279 0 top
C1195  0.6x0.3  [C_passive#2]  116 271 0 top
C1196  0.6x0.3  [C_passive#2]  116 263 0 top
C1197  0.6x0.3  [C_passive#2]  116 255 0 top
C1198  0.6x0.3  [C_passive#2]  116 247 0 top
C1199  0.6x0.3  [C_passive#2]  116 239 0 top
C1200  0.6x0.3  [C_passive#2]  116 231 0 top
C1201  0.6x0.3  [C_passive#2]  116 151 0 top
C1202  0.6x0.3  [C_passive#2]  116 143 0 top
C1203  0.6x0.3  [C_passive#2]  116 135 0 top
C1204  0.6x0.3  [C_passive#2]  116 127 0 top
C1205  0.6x0.3  [C_passive#2]  116 119 0 top
C1206  0.6x0.3  [C_passive#2]  116 111 0 top
C1207  0.6x0.3  [C_passive#2]  116 103 0 top
C1208  0.6x0.3  [C_passive#2]  116 95 0 top
C1209  0.6x0.3  [C_passive#2]  116 87 0 top
C1210  0.6x0.3  [C_passive#2]  116 79 0 top
